# Altium PCB PCB_v3.PcbDoc (part 5 of 7) (continued)
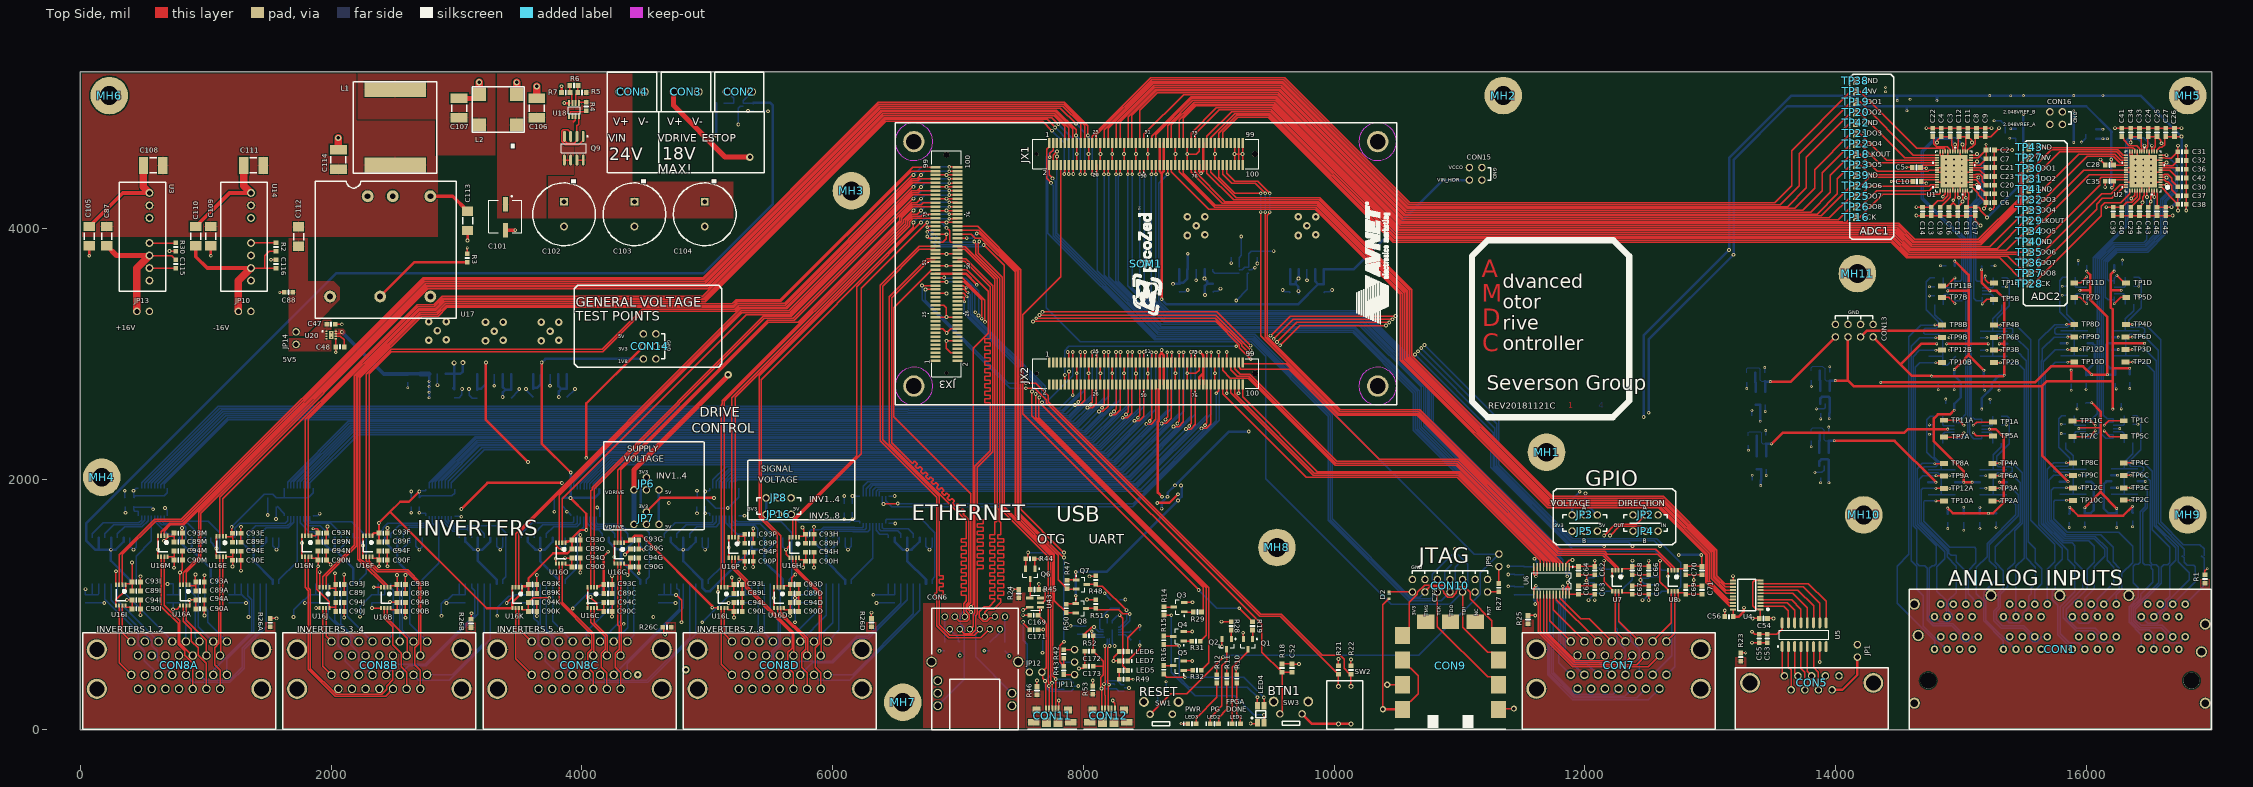
[diagram p0: Top Side view]
## Nets (pads, with @x,y where several pads share a name; then routed paths per layer and width w, separated by ;. In a path a pad name is that pad's centre, name@x,y a point inside that pad or via, vN(x,y) a via of type N, cw(c..) or ccw(c..) an arc to the next point about the centre after c; other vN are vias at no path point) (continued)
  other v1: 1563.31,890 6350,1012.83 12870,1195 4240,1226.54 793.23,1255 4258.76,1380 618.23,1440 5171.41,1454.55 1767.11,1490 1970,1621.6 4918.31,1727.6
  other v2: 2000,3130.32 2000,3169.68 15545,3894.33 15545,4646.58 14160,4824 14160,4859 14158.17,5160 14158.17,5195
  other v3: 14882.5,4364.04 14945,4364.04 15007.5,4364.04 16392.5,4364.04 16455,4364.04 16517.5,4364.04 14882.5,4410.29 14945,4410.29 15007.5,4410.29 16392.5,4410.29 16455,4410.29 16517.5,4410.29 14882.5,4456.54 15007.5,4456.54 16392.5,4456.54 16517.5,4456.54 14882.5,4502.79 14945,4502.79 15007.5,4502.79 16392.5,4502.79 16455,4502.79 16517.5,4502.79 14882.5,4549.04 14945,4549.04 15007.5,4549.04 16392.5,4549.04 16455,4549.04 16517.5,4549.04
  other v4: 3231,3103.05 3676,3103.05 2777.41,3107.4 3371,3108.05 3816,3108.05 2917.41,3112.4 3301,3180.65 3746,3180.65 2847.41,3185 3231,3253.05 3371,3253.05 3676,3253.05 3816,3253.05 2777.41,3257.4 2917.41,3257.4 8830.02,3943.94 9713.88,3943.94 8970.02,3948.94 9853.88,3948.94 8900.02,4021.54 9783.88,4021.54 8830.02,4093.94 8970.02,4093.94 9713.88,4093.94 9853.88,4093.94
GND_IN: C101.2 C102.2 C103.2 C104.2 C106.1 CON4.2 L2.2 R7.1 U18.4 | length 358.5
  Top Side w20: R7.1@3837.42,5085.12 v1(3837.42,5134.89) ; v1(3859.08,5000.12) U18.4@3898.45,5000.12
  Top Side w30: C101.2@3388.85,3986.48 v1(3468.06,3986.48)
  Top Side w60: L2.2@3479.21,5069.99 v5(3479.21,5165.08) ; C106.1@3640,5037.95 v5(3640,5133.04)
GND_IN2: C105.1 C107.1 C108.1 C110.1 C111.1 C113.1 C114.1 L2.3 U3.1 U14.1 U17.2 U17.3 | length 2332.6
  Top Side w10: L2.3@3147.05,5037.95 L2.3@3180,5070.9
  Top Side w30: C105.1@70,4016.01 337.81,4283.81 U3.1@550,4283.81 ; C110.1@920,4016.01 1187.81,4283.81 U14.1@1360,4283.81 ; U17.3@2791.01,4257.17 2969.66,4257.17 C113.1@3088.08,4138.76
  Top Side w40: C107.1@3020.38,5037.95 L2.3@3147.05,5037.95
  Top Side w60: C108.1@502.52,4502.65 502.52,4331.29 U3.1@550,4283.81 ; C111.1@1302.52,4502.65 1302.52,4341.29 U14.1@1360,4283.81 ; C114.1@2056.83,4627 v5(2056.83,4722.08) ; L2.3@3180,5070.9 v5(3180,5165.98)
GPIO_1A: CON7.1A U8.7 | length 428.1
  Top Side w10: CON7.1A@12651,706 12716.18,771.18 U8.7@12716.18,1107.12
GPIO_1B: CON7.1B U11.6 | length 694.1
  Bottom Side w10: CON7.1B@12651,440 12716.18,505.18 U11.6@12716.18,1107.11
GPIO_2A: CON7.2A U8.6 | length 462.7
  Top Side w10: CON7.2A@12542,706 12690.59,854.59 U8.6@12690.59,1107.12
GPIO_2B: CON7.2B U11.7 | length 731.9
  Bottom Side w10: CON7.2B@12542,440 12694.5,592.5 12694.5,1093.96 12690.59,1097.87 U11.7@12690.59,1107.11
GPIO_3A: CON7.3A U7.7 | length 468.5
  Top Side w10: U7.7@12270.39,1107.12 12270.39,868.61 CON7.3A@12433,706
GPIO_3B: CON7.3B U10.6 | length 734.1
  Bottom Side w10: U10.6@12271.18,1107.11 12271.18,857.56 12367.5,761.24 12367.5,709.98 12433,644.48 CON7.3B@12433,440
GPIO_4A: CON7.4A U7.6 | length 433.9
  Top Side w10: U7.6@12244.8,1107.12 12244.8,785.2 CON7.4A@12324,706
GPIO_4B: CON7.4B U10.7 | length 699.6
  Bottom Side w10: U10.7@12245.59,1107.11 12245.59,815.85 12258.5,802.94 12258.5,709.98 12324,644.48 CON7.4B@12324,440
GPIO_5A: CON7.5A U6.21 | length 586
  Top Side w10: U6.21@11798.98,1079.76 11799.88,1078.86 11799.88,1052.91 11967.88,884.91 12036.09,884.91 CON7.5A@12215,706
GPIO_5B: CON7.5B U9.14 | length 901
  Bottom Side w10: U9.14@11850.16,1079.76 11850.16,1054.17 11844.5,1048.52 11844.5,630.48 11926.48,548.5 12106.5,548.5 CON7.5B@12215,440
GPIO_6A: CON7.6A U6.20 | length 511.5
  Top Side w10: U6.20@11773.39,1079.76 11774.29,1078.86 11774.29,1037.71 CON7.6A@12106,706
GPIO_6B: CON7.6B U9.15 | length 810.4
  Bottom Side w10: U9.15@11824.57,1079.76 11824.57,1054.17 11829.5,1049.24 11829.5,624.27 11920.27,533.5 12012.5,533.5 CON7.6B@12106,440
GPIO_7A: CON7.7A U6.19 | length 476.1
  Top Side w10: U6.19@11747.8,1079.76 11747.8,958.34 11997,709.13 CON7.7A@11995.43,707.57
GPIO_7B: CON7.7B U9.16 | length 724.4
  Bottom Side w10: U9.16@11798.98,1079.76 11798.98,1019.15 11808.5,1009.63 11808.5,624.06 11992.56,440 CON7.7B@11997,440
GPIO_8A: CON7.8A U6.18 | length 442.4
  Top Side w10: U6.18@11722.2,1079.76 11722.2,871.8 CON7.8A@11888,706
GPIO_8B: CON7.8B U9.17 | length 687.2
  Bottom Side w10: U9.17@11773.39,1079.76 11773.39,1023.53 11793.5,1003.42 11793.5,534.5 CON7.8B@11888,440
GPIO_9A: CON7.9A U6.14 | length 1421.7
  Top Side w10: U6.14@11619.84,1079.76 11619.84,1024.76 11630,1014.6 11630,779.93 11905.43,504.5 12507,504.5 CON7.9A@12596.5,594
GPIO_9B: CON7.9B U9.21 | length 1664.8
  Bottom Side w10: U9.21@11671.02,1079.76 11671.02,764.25 11703.5,731.77 11703.5,441.84 11905.84,239.5 12508,239.5 CON7.9B@12596.5,328
GPIO_10A: CON7.10A U6.15 | length 1277.2
  Top Side w10: U6.15@11645.43,1079.76 11645.43,785.71 11911.64,519.5 12413,519.5 CON7.10A@12487.5,594
GPIO_10B: CON7.10B U9.20 | length 1520.4
  Bottom Side w10: U9.20@11696.61,1079.76 11696.61,762.06 11718.5,740.17 11718.5,448.06 11912.06,254.5 12414,254.5 CON7.10B@12487.5,328
GPIO_11A: CON7.11A U6.16 | length 1131.1
  Top Side w10: U6.16@11671.02,1079.76 11671.02,782.75 11918.27,535.5 12320,535.5 CON7.11A@12378.5,594
GPIO_11B: CON7.11B U9.19 | length 1375.9
  Bottom Side w10: U9.19@11722.2,1079.76 11722.2,759.87 11733.5,748.57 11733.5,454.27 11918.27,269.5 12320,269.5 CON7.11B@12378.5,328
GPIO_12A: CON7.12A U6.17 | length 986.7
  Top Side w10: U6.17@11696.61,1079.76 11696.61,778.37 11924.48,550.5 12226,550.5 CON7.12A@12269.5,594
GPIO_12B: CON7.12B U9.18 | length 1231.5
  Bottom Side w10: U9.18@11747.8,1079.76 11748.5,1079.06 11748.5,460.48 11924.48,284.5 12226,284.5 CON7.12B@12269.5,328
INV1_PWM1: CON8A.1A U15F.11 | length 535.6
  Bottom Side w10: U15F.11@989.63,1166.69 989.63,980 1013.46,956.17 1013.46,859.54 CON8A.1A@1168,705
INV1_PWM2: CON8A.2A U15F.12 | length 511.1
  Bottom Side w10: U15F.12@939.63,1166.69 939.63,824.37 CON8A.2A@1059,705
INV1_PWM3: CON8A.3A U15F.13 | length 486.7
  Bottom Side w10: U15F.13@889.63,1166.69 889.63,1096.04 915.66,1070 915.66,739.34 CON8A.3A@950,705
INV1_PWM4: CON8A.4A U15F.14 | length 462.3
  Bottom Side w10: U15F.14@839.63,1166.69 840.32,1166.01 840.32,705.68 CON8A.4A@841,705
INV1_PWM5: CON8A.5A U12F.11 | length 620.6
  Bottom Side w10: U12F.11@344.63,1165.16 344.63,1097.39 732,710.02 CON8A.5A@732,705
INV1_PWM6: CON8A.6A U12F.12 | length 596.2
  Bottom Side w10: U12F.12@294.63,1165.16 294.63,1033.37 CON8A.6A@623,705
INV2_PWM1: CON8A.1B U12E.13 | length 815.1
  Bottom Side w10: CON8A.1B@1168,439 1168,564.77 1382.7,779.47 U12E.13@1382.7,1165.16
INV2_PWM2: CON8A.2B U12E.14 | length 866.3
  Bottom Side w10: CON8A.2B@1059,439 1059,476.98 1365,782.98 1365,1038.46 1332.7,1070.76 U12E.14@1332.7,1165.16
INV2_PWM3: CON8A.3B U12E.12 | length 1125.9
  Bottom Side w10: CON8A.3B@950,439 993.5,395.5 1186.02,395.5 1290,499.48 1290,651.16 1432.7,793.86 U12E.12@1432.7,1165.16
INV2_PWM4: CON8A.4B U12E.11 | length 1280.4
  Bottom Side w10: CON8A.4B@841,439 899.5,380.5 1192.23,380.5 1305,493.27 1305,644.95 1482.7,822.65 U12E.11@1482.7,1165.16
INV2_PWM5: CON8A.5B U12F.13 | length 928
  Bottom Side w10: U12F.13@244.63,1165.16 244.63,1035.89 570,710.52 570,671.97 612,629.97 612,559 CON8A.5B@732,439
INV2_PWM6: CON8A.6B U12F.14 | length 903.6
  Bottom Side w10: U12F.14@194.63,1165.16 194.63,1043.56 460,778.19 460,680.97 510,630.97 510,552 CON8A.6B@623,439
INV3_PWM1: CON8B.1A U12D.11 | length 518.1
  Bottom Side w10: U12D.11@2625.38,1165.16 2625.38,844.96 CON8B.1A@2765.33,705
INV3_PWM2: CON8B.2A U12D.12 | length 500.1
  Bottom Side w10: U12D.12@2575.38,1165.16 2575.38,1129.98 2567.7,1122.3 2567.7,793.63 CON8B.2A@2656.33,705
INV3_PWM3: CON8B.3A U12D.13 | length 469.3
  Bottom Side w10: U12D.13@2525.38,1165.16 2525.38,1133.66 2547.33,1111.71 CON8B.3A@2547.33,705
INV3_PWM4: CON8B.4A U12D.14 | length 491.8
  Bottom Side w10: CON8B.4A@2438.33,705 2495,761.67 2495,1114.04 2475.38,1133.66 U12D.14@2475.38,1165.16
INV3_PWM5: CON8B.5A U15E.11 | length 545.2
  Bottom Side w10: U15E.11@2127.7,1166.69 2127.7,906.63 CON8B.5A@2329.33,705
INV3_PWM6: CON8B.6A U15E.12 | length 520.8
  Bottom Side w10: U15E.12@2077.7,1166.69 2077.7,847.63 CON8B.6A@2220.33,705
INV4_PWM1: CON8B.1B U15D.12 | length 1032.6
  Bottom Side w10: CON8B.1B@2765.33,439 2964.11,439 3220.38,695.27 U15D.12@3220.38,1166.69
INV4_PWM2: CON8B.2B U15D.11 | length 1210.8
  Bottom Side w10: CON8B.2B@2656.33,439 2699.83,395.5 2941.83,395.5 3270.38,724.05 U15D.11@3270.38,1166.69
INV4_PWM3: CON8B.3B U15D.13 | length 1066.7
  Bottom Side w10: CON8B.3B@2547.33,439 2618.33,510 2756.57,510 3170.38,923.81 U15D.13@3170.38,1166.69
INV4_PWM4: CON8B.4B U15D.14 | length 1163
  Bottom Side w10: CON8B.4B@2438.33,439 2524.33,525 2750.36,525 3145,919.64 3145,1110.57 3120.38,1135.2 U15D.14@3120.38,1166.69
INV4_PWM5: CON8B.5B U15E.13 | length 852.6
  Bottom Side w10: U15E.13@2027.7,1166.69 2027.7,876.42 2154.83,749.29 2154.83,680.17 2220,615 2220,548.33 CON8B.5B@2329.33,439
INV4_PWM6: CON8B.6B U15E.14 | length 828.2
  Bottom Side w10: U15E.14@1977.7,1166.69 1977.7,905.21 2056.83,826.07 2056.83,673.17 2111.33,618.67 2111.33,548 CON8B.6B@2220.33,439
INV5_PWM1: CON8C.1A U15C.11 | length 482.9
  Bottom Side w10: CON8C.1A@4362.67,705 4413.84,756.18 U15C.11@4413.84,1166.69
INV5_PWM2: CON8C.2A U15C.12 | length 507.3
  Bottom Side w10: CON8C.2A@4253.67,705 4363.84,815.18 U15C.12@4363.84,1166.69
INV5_PWM3: CON8C.3A U15C.13 | length 531.8
  Bottom Side w10: CON8C.3A@4144.67,705 4313.84,874.18 U15C.13@4313.84,1166.69
INV5_PWM4: CON8C.4A U15C.14 | length 556.2
  Bottom Side w10: CON8C.4A@4035.67,705 4035.67,783.12 4263.84,1011.29 U15C.14@4263.84,1166.69
INV5_PWM5: CON8C.5A U12C.11 | length 526.3
  Bottom Side w10: U12C.11@3766.91,1165.16 3766.91,864.75 CON8C.5A@3926.67,705
INV5_PWM6: CON8C.6A U12C.12 | length 504.2
  Bottom Side w10: U12C.12@3716.91,1165.16 3716.91,1129.98 3714.09,1127.16 3714.09,808.57 CON8C.6A@3817.67,705
INV6_PWM1: CON8C.1B U12B.13 | length 910.8
  Bottom Side w10: CON8C.1B@4362.67,439 4362.67,526.79 4808.45,972.57 U12B.13@4808.45,1165.16
INV6_PWM2: CON8C.2B U12B.14 | length 949.9
  Bottom Side w10: CON8C.2B@4253.67,439 4776.17,961.5 4776.17,1113.46 4758.45,1131.18 U12B.14@4758.45,1165.16
INV6_PWM3: CON8C.3B U12B.12 | length 1302
  Bottom Side w10: CON8C.3B@4144.67,439 4188.17,395.5 4517.95,395.5 4858.45,736 U12B.12@4858.45,1165.16
INV6_PWM4: CON8C.4B U12B.11 | length 1456.6
  Bottom Side w10: CON8C.4B@4035.67,439 4094.17,380.5 4524.16,380.5 4908.45,764.79 U12B.11@4908.45,1165.16
INV6_PWM5: CON8C.5B U12C.13 | length 833.8
  Bottom Side w10: U12C.13@3666.91,1165.16 3666.91,834.54 3760,741.45 3760,686.67 3813,633.67 3813,552.67 CON8C.5B@3926.67,439
INV6_PWM6: CON8C.6B U12C.14 | length 810.5
  Bottom Side w10: U12C.14@3616.91,1165.16 3615.53,1163.78 3615.53,891.96 3650,857.5 3650,680 3708.67,621.33 3708.67,548 CON8C.6B@3817.67,439
INV7_PWM1: CON8D.1A U12A.11 | length 497.4
  Bottom Side w10: CON8D.1A@5960,705 6049.98,794.98 U12A.11@6049.98,1165.16
INV7_PWM2: CON8D.2A U12A.12 | length 521.9
  Bottom Side w10: CON8D.2A@5851,705 5999.98,853.98 U12A.12@5999.98,1165.16
INV7_PWM3: CON8D.3A U12A.13 | length 546.3
  Bottom Side w10: CON8D.3A@5742,705 5949.98,912.98 U12A.13@5949.98,1165.16
INV7_PWM4: CON8D.4A U12A.14 | length 570.7
  Bottom Side w10: CON8D.4A@5633,705 5899.98,971.98 U12A.14@5899.98,1165.16
INV7_PWM5: CON8D.5A U15B.13 | length 490.9
  Bottom Side w10: U15B.13@5453.45,1166.69 5453.45,775.55 CON8D.5A@5524,705
INV7_PWM6: CON8D.6A U15B.14 | length 466.5
  Bottom Side w10: U15B.14@5403.45,1166.69 5406.06,1164.09 5406.06,713.94 CON8D.6A@5415,705
INV8_PWM1: CON8D.1B U15A.12 | length 1127.9
  Bottom Side w10: CON8D.1B@5960,439 6158.78,439 6644.98,925.2 U15A.12@6644.98,1166.69
INV8_PWM2: CON8D.2B U15A.11 | length 1306
  Bottom Side w10: CON8D.2B@5851,439 5894.5,395.5 6136.49,395.5 6694.98,953.99 U15A.11@6694.98,1166.69
INV8_PWM3: CON8D.3B U15A.13 | length 1228.6
  Bottom Side w10: CON8D.3B@5742,439 5837.5,534.5 5999.72,534.5 6197.22,732 6286.91,732 6594.98,1040.08 U15A.13@6594.98,1166.69
INV8_PWM4: CON8D.4B U15A.14 | length 1304.4
  Bottom Side w10: CON8D.4B@5633,439 5743.5,549.5 5993.51,549.5 6191.01,747 6280.69,747 6544.98,1011.29 U15A.14@6544.98,1166.69
INV8_PWM5: CON8D.5B U15B.11 | length 764
  Bottom Side w10: CON8D.5B@5524,439 5530,445 5530,617.72 5582.5,670.22 5582.5,1106.15 5553.45,1135.2 U15B.11@5553.45,1166.69
INV8_PWM6: CON8D.6B U15B.12 | length 817.4
  Bottom Side w10: CON8D.6B@5415,439 5515,539 5515,627.15 5567.5,679.65 5567.5,873.03 5503.45,937.08 U15B.12@5503.45,1166.69
JTAG_TCK: CON9.2 CON10.6 D3.5 SOM1.JX1-1 | length 6775.5
  Top Side w10: SOM1.JX1-1@7726.65,4680 7726.65,4650 7706.65,4630 7706.65,4400.35 v1(7743,4364) ; CON10.6@10825,1100 10825,823.73 11224.83,423.9 11258.66,423.9 11312.72,369.84 CON9.2@11312.72,360
  Bottom Side w10: v1(7743,4364) 7743,4358.59 7759.65,4341.94 7759.65,3942.81 8576.83,3125.63 9354.91,3125.63 9969.78,2510.76 9969.78,1677.44 10602.22,1045 10770,1045 10885,1160 10885,1267.04 10938.59,1320.63 D3.5@10938.59,1322.6
JTAG_TDI: CON9.3 CON10.10 D3.3 SOM1.JX1-4 | length 7372.2
  Top Side w10: SOM1.JX1-4@7758.15,4506.77 7758.15,4583.15 v1(7790,4615) ; CON10.10@11025,1100 11025,820.58 11224.83,620.75 11258.66,620.75 11312.72,566.69 CON9.3@11312.72,556.85
  Bottom Side w10: v1(7790,4615) 7744.02,4615 7703,4573.98 7703,3365.95 7974.32,3094.63 9340.73,3094.63 9456.43,2978.93 9456.43,2003.52 10455.95,1004 10929,1004 11065,1140 11065,1320.2 10989.77,1395.43 D3.3@10989.77,1397.4
JTAG_TDO: CON9.8 CON10.8 D3.4 SOM1.JX1-3 | length 6619.9
  Top Side w10: v1(7732.15,4567.77) 7732.15,4598.59 7758.15,4624.59 SOM1.JX1-3@7758.15,4680 ; CON9.8@10545,753.7 10599.06,807.76 10599.06,1017.49 10665,1083.43 10665,1096.57 10723.43,1155 10870,1155 CON10.8@10925,1100
  Bottom Side w10: v1(7732.15,4567.77) 7732.15,4562.36 7718,4548.21 7718,3963.25 8570.62,3110.63 9345.94,3110.63 9954.78,2501.79 9954.78,1671.23 10596.01,1030 10855,1030 10965,1140 10965,1295.86 10989.77,1320.63 D3.4@10989.77,1322.6
JTAG_TMS: CON9.4 CON10.4 D3.1 SOM1.JX1-2 | length 6528.7
  Top Side w10: SOM1.JX1-2@7726.65,4506.77 7726.65,4428.35 v1(7755,4400) ; CON10.4@10725,1100 10765,1140 10841.57,1140 10875,1106.57 10875,1093.43 10908.43,1060 10941.57,1060 10975,1093.43 10975,1106.57 11008.43,1140 11041.57,1140 11085,1096.57 11085,1044.77 11258.66,871.11 11258.66,807.76 CON9.4@11312.72,753.7
  Bottom Side w10: v1(7755,4400) 7755,4396.86 7774.65,4377.22 7774.65,3949.03 8583.04,3140.63 9361.12,3140.63 9984.78,2516.97 9984.78,1683.65 10608.43,1060 10685,1060 10785,1160 10785,1241.84 10938.59,1395.43 D3.1@10938.59,1397.4
LV_ALARMA: SOM1.JX1-64 U4.19 | length 6405.6
  Top Side w10: SOM1.JX1-64@8703.03,4506.77 8703.03,4453.24 9001.27,4155 9849.39,4155 10530,3474.39 10530,2947.37 11705.37,1772 12588.36,1772 12963.7,1396.65 12963.7,1178.98 13155.04,987.64 U4.19@13183.4,987.64
LV_ALARMB: SOM1.JX1-70 U4.17 | length 6297.5
  Top Side w10: SOM1.JX1-70@8797.52,4506.77 8797.52,4440.33 9052.85,4185 9861.82,4185 10560,3486.82 10560,2959.79 11717.79,1802 12600.78,1802 12993.7,1409.08 12993.7,1191.4 13146.29,1038.82 U4.17@13183.4,1038.82
LV_ALARMD: SOM1.JX1-84 U4.12 | length 6011.9
  Top Side w10: SOM1.JX1-84@9017.99,4506.77 9017.99,4447.53 9220.51,4245 9886.67,4245 10620,3511.67 10620,2984.64 11742.64,1862 12625.63,1862 13053.7,1433.93 13053.7,1229.83 13116.76,1166.77 U4.12@13183.4,1166.77
LV_ALARMZ: SOM1.JX1-76 U4.14 | length 6156.1
  Top Side w10: SOM1.JX1-76@8892.01,4506.77 8892.87,4505.9 8892.87,4451.77 9129.64,4215 9874.24,4215 10590,3499.24 10590,2972.22 11730.22,1832 12613.21,1832 13023.7,1421.51 13023.7,1217.4 13125.51,1115.59 U4.14@13183.4,1115.59
LV_ENC_A: SOM1.JX1-68 U4.18 | length 6333.6
  Top Side w10: SOM1.JX1-68@8766.02,4506.77 8766.02,4450.61 9046.64,4170 9855.6,4170 10545,3480.6 10545,2953.58 11711.58,1787 12594.57,1787 12978.7,1402.87 12978.7,1185.19 13150.66,1013.23 U4.18@13183.4,1013.23
LV_ENC_B: SOM1.JX1-74 U4.15 | length 6201.2
  Top Side w10: SOM1.JX1-74@8860.51,4506.77 8860.51,4447.42 9107.92,4200 9868.03,4200 10575,3493.03 10575,2966.01 11724.01,1817 12607,1817 13008.7,1415.29 13008.7,1211.19 13129.89,1090 U4.15@13183.4,1090
LV_ENC_Z: SOM1.JX1-82 U4.13 | length 6057.2
  Top Side w10: SOM1.JX1-82@8986.49,4506.77 8986.49,4442.09 9198.58,4230 9880.45,4230 10605,3505.45 10605,2978.43 11736.43,1847 12619.42,1847 13038.7,1427.72 13038.7,1223.62 13121.14,1141.18 U4.13@13183.4,1141.18
LV_FLT_DESAT1: SOM1.JX1-13 U16A.2 | length 9070.4
  Top Side w10: U16A.2@844.41,1157.87 844.41,1259.39 960,1374.98 960,1728.33 2765.48,3533.81 4997.15,3533.81 6393.23,4929.89 7779.72,4929.89 7915.63,4793.98 SOM1.JX1-13@7915.63,4680
LV_FLT_DESAT2: SOM1.JX1-18 U16A.3 | length 9466.4
  Top Side w10: U16A.3@818.82,1157.87 818.82,1255.01 945,1381.19 945,1734.55 2759.27,3548.81 4990.94,3548.81 6387.01,4944.89 7785.93,4944.89 7941.63,4789.19 v1(7941.63,4741) ; v1(7976.37,4432.37) 7977.5,4433.5 7977.5,4505.65 SOM1.JX1-18@7978.62,4506.77
  Bottom Side w10: v1(7941.63,4741) 7976.37,4706.26 v1(7976.37,4432.37)
LV_FLT_DESAT3: SOM1.JX3-100 U16B.2 | length 7229.2
  Top Side w10: U16B.2@2448.65,1137.87 2448.65,1152.19 2255.41,1345.42 2250,1345.42 2228.23,1367.2 2228.23,2807.22 2722.38,3301.37 2853.58,3301.37 2922.22,3370 5211.72,3370 5244.72,3403 5616.94,3403 6640.49,4426.54 v1(6645,4426.54) ; v1(6930,4491.79) 6931.13,4490.66 6993.8,4490.66 SOM1.JX3-100@6994.92,4489.54
  Bottom Side w10: v1(6645,4426.54) 6710.24,4491.79 v1(6930,4491.79)
LV_FLT_DESAT4: SOM1.JX3-97 U16B.3 | length 7052.8
  Top Side w10: U16B.3@2423.06,1137.87 2423.06,1152.19 2245.25,1330 2244.21,1330 2213.23,1360.98 2213.23,2813.43 2716.16,3316.37 2847.37,3316.37 2916,3385 5205.5,3385 5238.5,3418 5588,3418 6628.04,4458.04 SOM1.JX3-97@6821.69,4458.04
LV_FLT_DESAT5: SOM1.JX3-88 U16C.2 | length 4671.6
  Top Side w10: U16C.2@4096.56,1137.87 4096.56,1925.47 5454.09,3283 5684.51,3283 6622.08,4220.58 6622.6,4220.58 6639.59,4237.57 v1(6645,4237.57) ; v1(6930,4302.81) 6931.13,4301.69 6993.8,4301.69 SOM1.JX3-88@6994.92,4300.56
  Bottom Side w10: v1(6645,4237.57) 6710.24,4302.81 v1(6930,4302.81)
LV_FLT_DESAT6: SOM1.JX3-85 U16C.3 | length 4506.5
  Top Side w10: U16C.3@4070.97,1137.87 4070.97,1906.07 4081.56,1916.66 4081.56,1931.69 5447.87,3298 5670.08,3298 6641.14,4269.07 SOM1.JX3-85@6821.69,4269.07
LV_FLT_DESAT7: SOM1.JX3-76 U16D.2 | length 3856
  Top Side w10: U16D.2@5584.41,1137.87 5584.41,1549.02 5429.83,1703.6 5429.83,2794.63 6645,4009.81 v1(6645,4048.59) ; v1(6930,4113.84) 6931.13,4112.71 6993.8,4112.71 SOM1.JX3-76@6994.92,4111.58
  Bottom Side w10: v1(6645,4048.59) 6710.24,4113.84 v1(6930,4113.84)
LV_FLT_DESAT8: SOM1.JX3-73 U16D.3 | length 3690.4
  Top Side w10: U16D.3@5558.82,1137.87 5558.82,1553.4 5414.83,1697.39 5414.83,2823.15 6615,4023.32 6615,4053.95 6641.14,4080.09 SOM1.JX3-73@6821.69,4080.09
LV_FLT_TEMP1: SOM1.JX1-20 U16M.2 | length 9267
  Top Side w10: U16M.2@669.41,1547.87 669.41,1586.27 718.14,1635 824.24,1635 2753.05,3563.81 4984.73,3563.81 6380.8,4959.89 7816.74,4959.89 v1(7941.63,4835) ; SOM1.JX1-20@8010.12,4506.77 8011.24,4505.65 8011.24,4433.5 v1(8012.37,4432.37)
  Bottom Side w10: v1(7941.63,4835) 8011.12,4765.51 8011.12,4433.62 v1(8012.37,4432.37)
LV_FLT_TEMP2: SOM1.JX1-17 U16M.3 | length 8986.2
  Top Side w10: U16M.3@643.82,1547.87 643.82,1581.89 711.93,1650 818.03,1650 2746.84,3578.81 4978.51,3578.81 6374.59,4974.89 7837.1,4974.89 7978.62,4833.36 SOM1.JX1-17@7978.62,4680
LV_FLT_TEMP3: SOM1.JX1-12 U16N.2 | length 8405
  Top Side w10: U16N.2@1818.29,1547.87 1818.29,2482.13 2697.52,3361.37 2828.73,3361.37 2897.36,3430 4978.19,3430 6418.08,4869.89 7711.03,4869.89 v1(7775.46,4805.46) v1@7782.96,4797.96 ; v1(7884.13,4435) SOM1.JX1-12@7884.13,4506.77
  Bottom Side w10: v1(7775.46,4805.46) 7884.13,4696.78 v1(7884.13,4435)
LV_FLT_TEMP4: SOM1.JX1-14 U16N.3 | length 8476.4
  Top Side w10: U16N.3@1792.7,1547.87 1792.7,2477.76 2691.31,3376.37 2822.52,3376.37 2891.15,3445 4971.98,3445 6411.87,4884.89 7746.94,4884.89 v1(7800.91,4830.91) ; SOM1.JX1-14@7915.63,4506.77 7917.88,4504.52 7917.88,4437.25 v1(7920.13,4435)
  Bottom Side w10: v1(7800.91,4830.91) 7920.13,4711.69 v1(7920.13,4435)
LV_FLT_TEMP5: SOM1.JX3-87 U16O.2 | length 4346.6
  Top Side w10: U16O.2@3843.43,1492.87 3843.43,1843.42 5313,3313 5663.86,3313 6635.93,4285.07 6681.28,4285.07 6696.78,4300.56 SOM1.JX3-87@6821.69,4300.56
LV_FLT_TEMP6: SOM1.JX3-92 U16O.3 | length 4587.1
  Top Side w10: U16O.3@3817.83,1492.87 3817.83,1870.05 5275.78,3328 5657.65,3328 6629.72,4300.07 6675.07,4300.07 v1(6705,4330) ; v1(6930,4361.3) 6931.13,4362.43 6993.8,4362.43 SOM1.JX3-92@6994.92,4363.55
  Bottom Side w10: v1(6705,4330) 6736.3,4361.3 v1(6930,4361.3)
LV_FLT_TEMP7: SOM1.JX3-75 U16P.2 | length 3336.3
  Top Side w10: U16P.2@5222.59,1537.43 5222.59,2652.12 6600,4029.53 6600,4060.16 6636.93,4097.09 6707.06,4097.09 6721.56,4111.59 SOM1.JX3-75@6821.69,4111.59
LV_FLT_TEMP8: SOM1.JX3-80 U16P.3 | length 3558.6
  Top Side w10: U16P.3@5197,1537.43 5197,2647.75 6585,4035.75 6585,4066.38 6630.71,4112.09 6674.01,4112.09 v1(6705,4143.08) ; v1(6930,4172.32) 6931.13,4173.45 6993.8,4173.45 SOM1.JX3-80@6994.92,4174.58
  Bottom Side w10: v1(6705,4143.08) 6734.24,4172.32 v1(6930,4172.32)
LV_GPIO_A1: SOM1.JX1-92 U8.2 | length 5659.1
  Top Side w10: SOM1.JX1-92@9143.97,4506.77 9143.97,4438.82 9207.8,4375 9392.3,4375 v1(9487.3,4280) ; v1(9487.3,4130) 9487.3,4124.91 9468.63,4106.24 9468.63,3134.72 10050.36,2553 10682.61,2553 11795.61,1440 12566.57,1440 12712.91,1293.66 12712.91,1276.15 U8.2@12716.18,1272.88
  Bottom Side w10: v1(9487.3,4130) v1(9487.3,4280)